# Altium PCB LimeSDR_Mini_1v0_Rounded.PcbDoc (part 1 of 5) (continued)
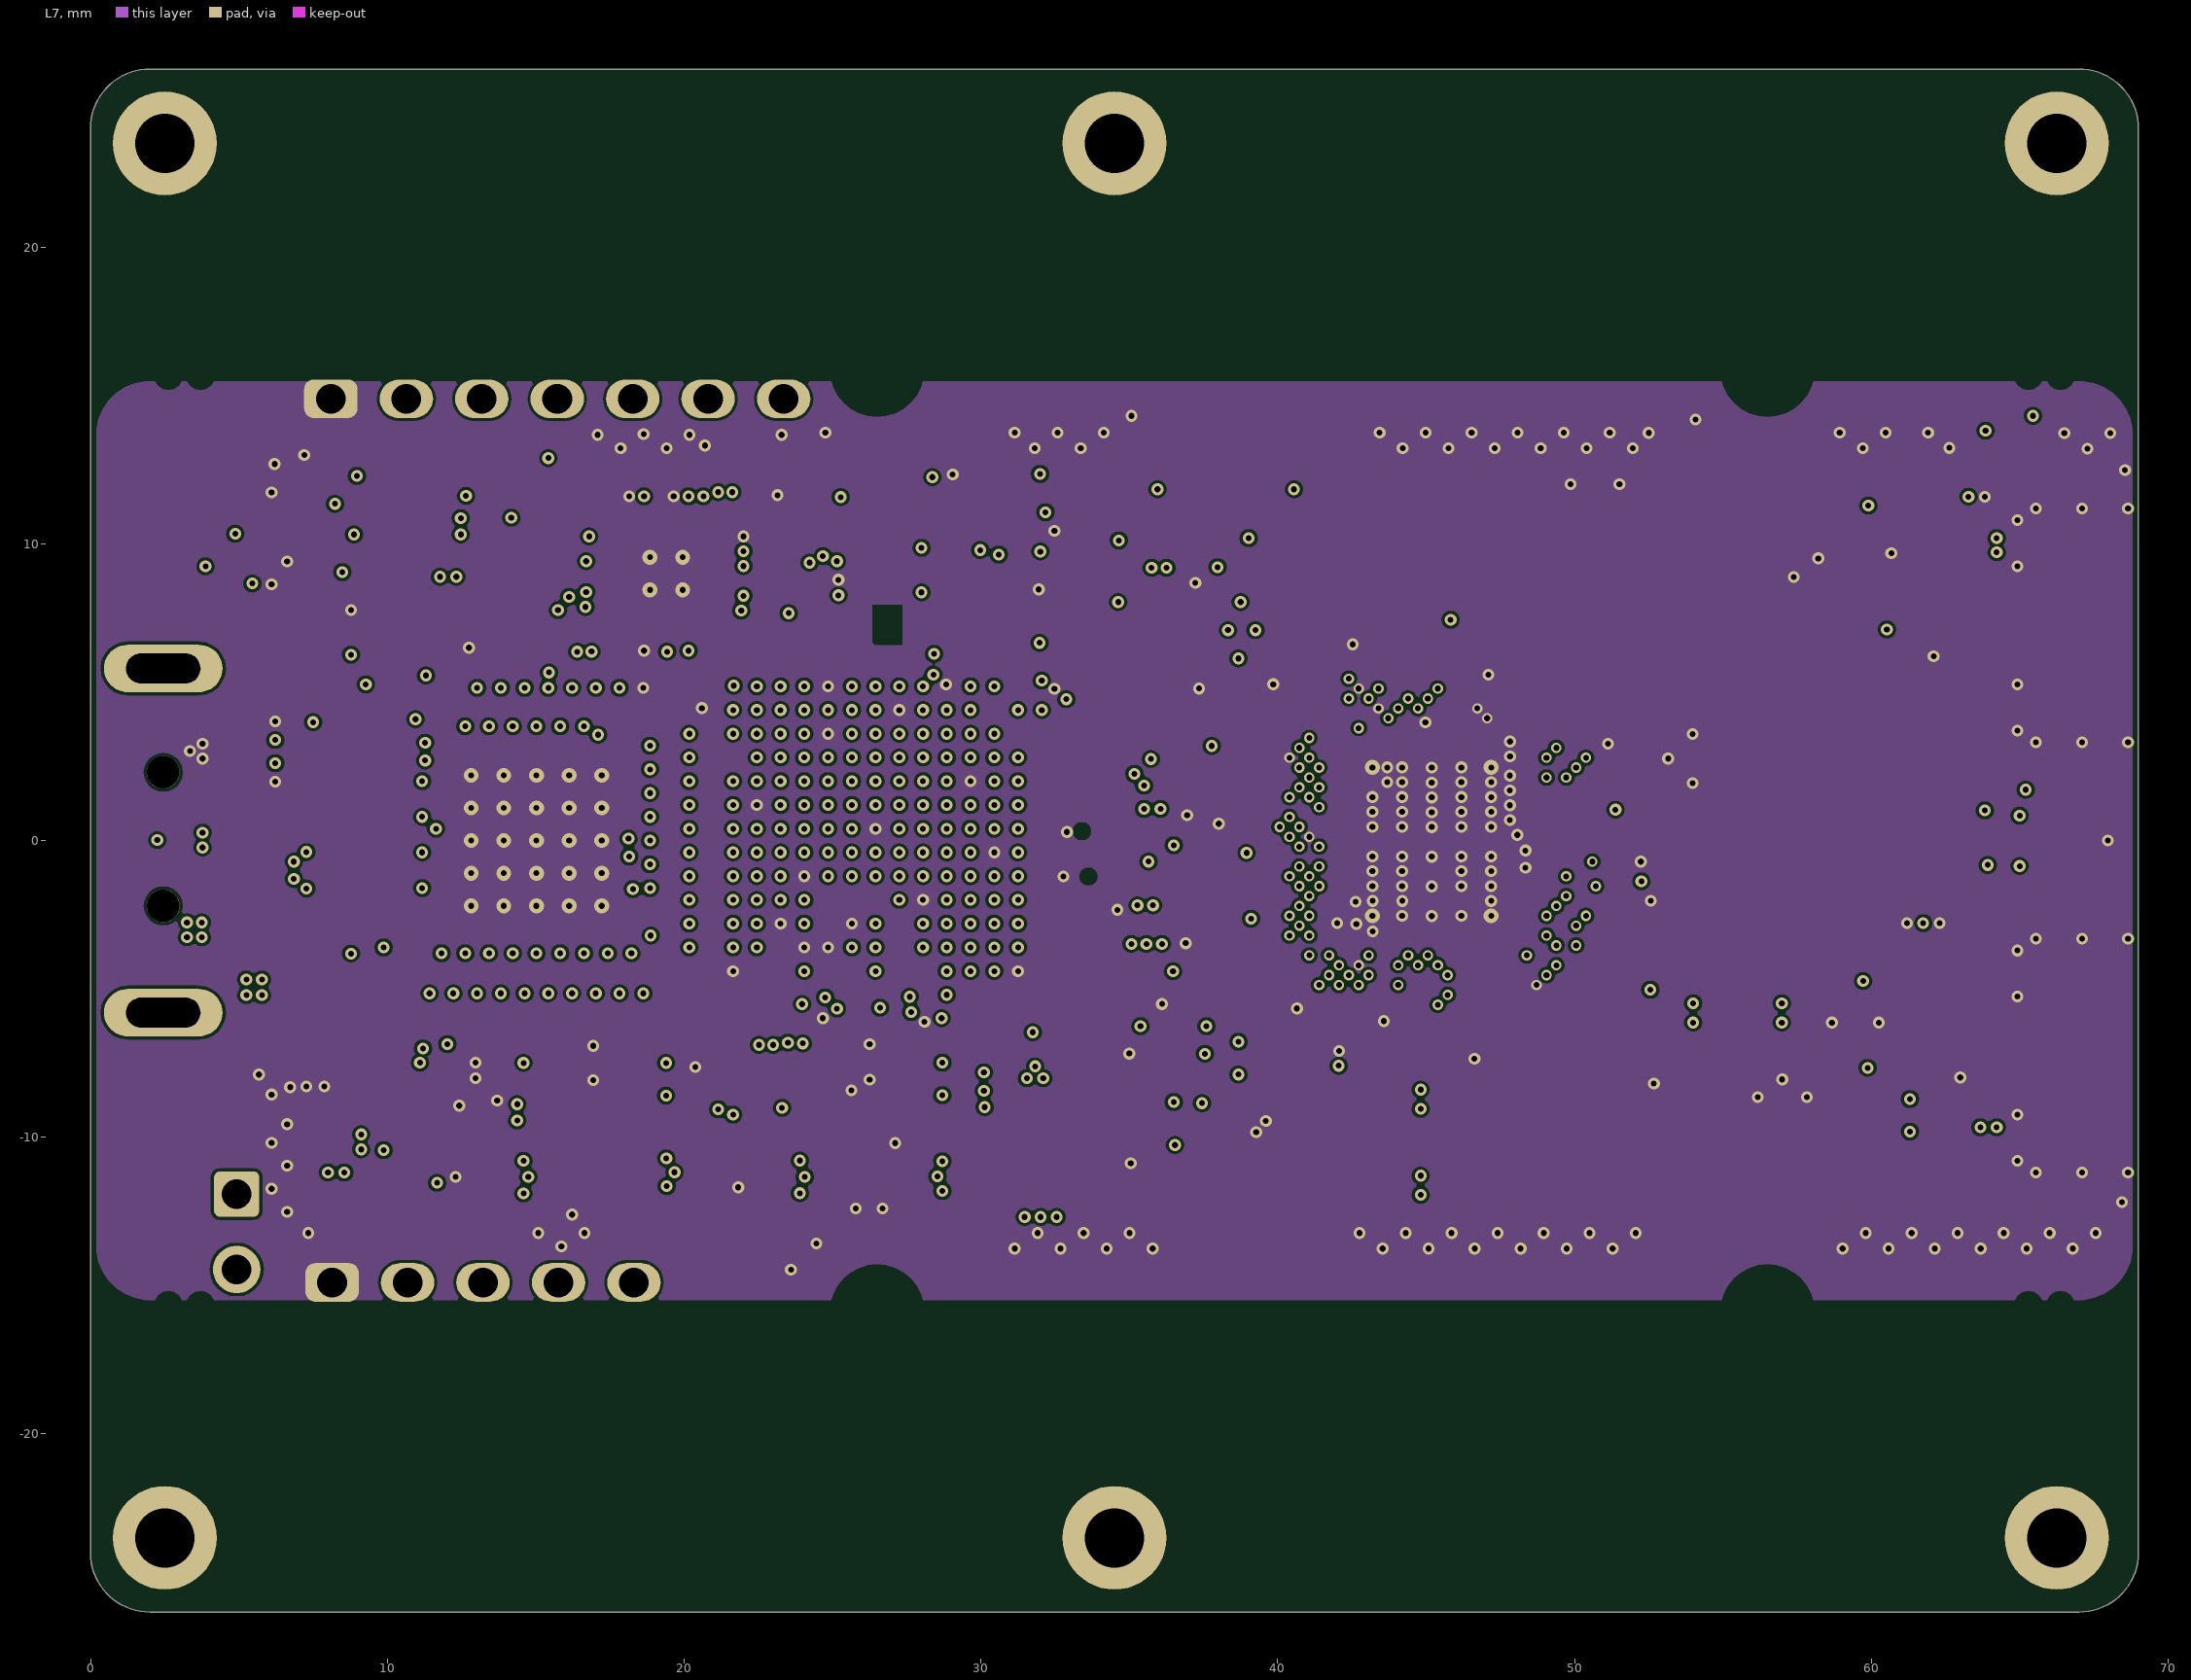
[diagram p7: L7]

## Layer stack, top to bottom
TopSolder: solder mask 0.0102, Solder Resist, Dk 3.5
Top: signal copper 0.0178
Dielectric1: core 0.17, FR-4, Dk 4.8
L2: signal copper 0.0356
Dielectric2: prepreg 0.3, FR-4, Dk 4.2
L3: signal copper 0.03
Dielectric3: core 0.2, FR-4, Dk 4.2
L4: signal copper 0.034
Dielectric 4: prepreg 0.2, Dk 4.2
L5: signal copper 0.03
Dielectric 10: core 0.09, Dk 4.2
L6: signal copper 0.03
Dielectric 11: prepreg 0.2, Dk 4.2
L7: signal copper 0.03
Dielectric 8: core 0.17, Dk 4.2
Bottom: signal copper 0.0178
BottomSolder: solder mask 0.0102, Solder Resist, Dk 3.5

## Board outline
0,-24 ccw(c2,-24) 2,-26 67,-26 ccw(c67,-24) 69,-24 69,24 ccw(c67,24) 67,26 2,26 ccw(c2,24) 0,24

## Design rules (kind name [scope] priority, off if disabled: settings)
BoardOutlineClearance [All] p1: gap=0.2
Clearance [All] p1: gap=0.1
ComponentClearance ComponentClearance_LNA_BYP [InComponent('R28') or InComponent('C22') or InComponent('R29') or InComponent('C20') vs InComponent('R28') or InComponent('C22') or InComponent('R29') or InComponent('C20')] p1: gap=-1 collisioncheckmode=3 verticalgap=2540 showdistances=FALSE
ComponentClearance ComponentClearance_CLK_RES [InComponent('R59') or InComponent('R62') vs InComponent('R59') or InComponent('R62')] p2: gap=-1 collisioncheckmode=3 verticalgap=2540 showdistances=FALSE
ComponentClearance ComponentClearance_RF_SHIELD [InComponent('MECH5') or InComponent('MECH7') or InComponent('MECH15')] p3: gap=-1 collisioncheckmode=3 verticalgap=2540 showdistances=FALSE
ComponentClearance [All] p4: gap=0.01 collisioncheckmode=3 verticalgap=0.254 showdistances=FALSE
DiffPairsRouting DiffPairsRouting_USB3 [InNetClass('FX3_DATA')] p1: maxlimit=0.3 minlimit=0.1 mostfreqgap=0.14 toplayer_minwidth=0.2 toplayer_maxwidth=0.2 toplayer_prefwidth=0.2 midlayer1_minwidth=0.2 midlayer1_maxwidth=0.2 midlayer1_prefwidth=0.2 midlayer2_minwidth=0.2 midlayer2_maxwidth=0.2 midlayer2_prefwidth=0.2 midlayer3_minwidth=0.2 midlayer3_maxwidth=0.2 midlayer3_prefwidth=0.2 midlayer4_minwidth=0.2 midlayer4_maxwidth=0.2 midlayer4_prefwidth=0.2 midlayer7_minwidth=0.2 midlayer7_maxwidth=0.2 midlayer7_prefwidth=0.2 midlayer9_minwidth=0.2 midlayer9_maxwidth=0.2 midlayer9_prefwidth=0.2 bottomlayer_minwidth=0.2 bottomlayer_maxwidth=0.2 bottomlayer_prefwidth=0.2 maxuncoupledlength=12.7
DiffPairsRouting DiffPairsRouting_USB3_XTAL [InNet('FX3_XTAL_N') or InNet('FX3_XTAL_P')] p2: maxlimit=0.2 minlimit=0.1 mostfreqgap=0.1 toplayer_minwidth=0.1 toplayer_maxwidth=0.4 toplayer_prefwidth=0.1 midlayer1_minwidth=0.1 midlayer1_maxwidth=0.4 midlayer1_prefwidth=0.1 midlayer2_minwidth=0.1 midlayer2_maxwidth=0.4 midlayer2_prefwidth=0.1 midlayer3_minwidth=0.1 midlayer3_maxwidth=0.4 midlayer3_prefwidth=0.1 midlayer4_minwidth=0.1 midlayer4_maxwidth=0.4 midlayer4_prefwidth=0.1 midlayer7_minwidth=0.1 midlayer7_maxwidth=0.4 midlayer7_prefwidth=0.1 midlayer9_minwidth=0.1 midlayer9_maxwidth=0.4 midlayer9_prefwidth=0.1 bottomlayer_minwidth=0.1 bottomlayer_maxwidth=0.4 bottomlayer_prefwidth=0.1 maxuncoupledlength=0.2
DiffPairsRouting DiffPairsRouting_TX_RF [InNetClass('TX_RF')] p3: maxlimit=0.14 minlimit=0.14 mostfreqgap=0.14 toplayer_minwidth=0.1 toplayer_maxwidth=0.2 toplayer_prefwidth=0.2 midlayer1_minwidth=0.1 midlayer1_maxwidth=0.2 midlayer1_prefwidth=0.2 midlayer2_minwidth=0.1 midlayer2_maxwidth=0.2 midlayer2_prefwidth=0.2 midlayer3_minwidth=0.1 midlayer3_maxwidth=0.2 midlayer3_prefwidth=0.2 midlayer4_minwidth=0.1 midlayer4_maxwidth=0.2 midlayer4_prefwidth=0.2 midlayer7_minwidth=0.1 midlayer7_maxwidth=0.2 midlayer7_prefwidth=0.2 midlayer9_minwidth=0.1 midlayer9_maxwidth=0.2 midlayer9_prefwidth=0.2 bottomlayer_minwidth=0.1 bottomlayer_maxwidth=0.2 bottomlayer_prefwidth=0.2 maxuncoupledlength=0.2
DiffPairsRouting DiffPairsRouting_RX_RF [InNetClass('RX_RF')] p4: maxlimit=0.3 minlimit=0.1 mostfreqgap=0.14 toplayer_minwidth=0.1 toplayer_maxwidth=0.3 toplayer_prefwidth=0.2 midlayer1_minwidth=0.1 midlayer1_maxwidth=0.3 midlayer1_prefwidth=0.2 midlayer2_minwidth=0.1 midlayer2_maxwidth=0.3 midlayer2_prefwidth=0.2 midlayer3_minwidth=0.1 midlayer3_maxwidth=0.3 midlayer3_prefwidth=0.2 midlayer4_minwidth=0.1 midlayer4_maxwidth=0.3 midlayer4_prefwidth=0.2 midlayer7_minwidth=0.1 midlayer7_maxwidth=0.3 midlayer7_prefwidth=0.2 midlayer9_minwidth=0.1 midlayer9_maxwidth=0.3 midlayer9_prefwidth=0.2 bottomlayer_minwidth=0.1 bottomlayer_maxwidth=0.3 bottomlayer_prefwidth=0.2 maxuncoupledlength=0.2
DiffPairsRouting [All] p5: maxlimit=0.3 minlimit=0.1 mostfreqgap=0.1 toplayer_minwidth=0.1 toplayer_maxwidth=0.5 toplayer_prefwidth=0.2 midlayer1_minwidth=0.1 midlayer1_maxwidth=0.5 midlayer1_prefwidth=0.2 midlayer2_minwidth=0.1 midlayer2_maxwidth=0.5 midlayer2_prefwidth=0.2 midlayer3_minwidth=0.1 midlayer3_maxwidth=0.5 midlayer3_prefwidth=0.2 midlayer4_minwidth=0.1 midlayer4_maxwidth=0.5 midlayer4_prefwidth=0.2 midlayer7_minwidth=0.1 midlayer7_maxwidth=0.5 midlayer7_prefwidth=0.2 midlayer9_minwidth=0.1 midlayer9_maxwidth=0.5 midlayer9_prefwidth=0.2 bottomlayer_minwidth=0.1 bottomlayer_maxwidth=0.5 bottomlayer_prefwidth=0.2 maxuncoupledlength=12.7
FabricationTestPointUsage TestPointUsage [All] p1: valid=0 allowmultiple=FALSE
FabricationTestpoint Testpoint [All] p1: side=3 testpointundercomponent=TRUE minsize=1.016 maxsize=2.54 preferedsize=1.524 minholesize=0.508 maxholesize=1.016 preferedholesize=0.813 testpointgrid=0.025 allowsidetop=TRUE allowsidebottom=TRUE usegrid=TRUE gridtolerance=0
HoleSize [All] p1: absolutevalues=TRUE maxlimit=10 minlimit=0.2 maxpercent=80.000 minpercent=20.000
HoleToHoleClearance [All] p1: gap=0.15 allowstackedmicrovias=TRUE
MatchedLengths MatchedLengths_FT_FIFO [InNetClass('FT_FIFO')] p1: tolerance=5 checknetsindiffpair=FALSE checkdiffpairvsdiffpair=TRUE checkxsignals=TRUE checkothers=TRUE
MatchedLengths MatchedLengths_LMS_PORT1 [InNetClass('LMS_PORT1')] p2: tolerance=7 checknetsindiffpair=FALSE checkdiffpairvsdiffpair=TRUE checkxsignals=TRUE checkothers=TRUE // tolerance increased due to MCLK being longer
MatchedLengths MatchedLengths_LMS_PORT2 [InNetClass('LMS_PORT2')] p3: tolerance=7.5 checknetsindiffpair=FALSE checkdiffpairvsdiffpair=TRUE checkxsignals=TRUE checkothers=TRUE // tolerance increased due to MCLK being longer
PlaneClearance [All] p1: clearance=0
PolygonConnect PolygonConnect_VCC3P3 [InNetClass('VCC3P3')] p1: connectstyle=Direct reliefconductorwidth=0.254 reliefentries=4 polygonreliefangle="90 Angle" airgapwidth=0.254
PolygonConnect PolygonConnect_GND_VIA [InNet('GND') and isvia] p2: connectstyle=Direct reliefconductorwidth=0.254 reliefentries=4 polygonreliefangle="90 Angle" airgapwidth=0.254
PolygonConnect PolygonConnect_GND_MMCX [HasFootprint('MMCX_UFL_CONN_V3_M') and IsPad and InNet('GND')] p3: connectstyle=Relief reliefconductorwidth=0.7 reliefentries=4 polygonreliefangle="90 Angle" airgapwidth=0.254
PolygonConnect PolygonConnect_GND [InNet('GND') and (OnTopLayer or OnBottomLayer)] p4: connectstyle=Relief reliefconductorwidth=0.254 reliefentries=4 polygonreliefangle="90 Angle" airgapwidth=0.254
PolygonConnect PolygonConnect_GND_inner [InNet('GND') and not (OnTopLayer or OnBottomLayer)] p5: connectstyle=Direct reliefconductorwidth=0.254 reliefentries=4 polygonreliefangle="90 Angle" airgapwidth=0.254
PolygonConnect PolygonConnect_USB_GND [InNet('USB_GND')] p6: connectstyle=Direct reliefconductorwidth=0.254 reliefentries=4 polygonreliefangle="90 Angle" airgapwidth=0.254
PolygonConnect PolygonConnect_FX3_GND [InNet('FX3_GND')] p7: connectstyle=Direct reliefconductorwidth=0.254 reliefentries=4 polygonreliefangle="90 Angle" airgapwidth=0.254
PolygonConnect PolygonConnect_VCC1P8 [InNet('VCC1P8')] p8: connectstyle=Direct reliefconductorwidth=0.254 reliefentries=4 polygonreliefangle="90 Angle" airgapwidth=0.254
PolygonConnect PolygonConnect_VCC1P8_LMS [InNet('VCC1P8_LMS')] p9: connectstyle=Direct reliefconductorwidth=0.254 reliefentries=4 polygonreliefangle="90 Angle" airgapwidth=0.254
PolygonConnect PolygonConnect_VCC1P8_FX3 [InNet('VCC1P8_FX3')] p10: connectstyle=Direct reliefconductorwidth=0.254 reliefentries=4 polygonreliefangle="90 Angle" airgapwidth=0.254
PolygonConnect PolygonConnect_VDIO_LMS [InNet('VDIO_LMS')] p11: connectstyle=Direct reliefconductorwidth=0.254 reliefentries=4 polygonreliefangle="90 Angle" airgapwidth=0.254
PolygonConnect PolygonConnect_VDIO_LMS_FPGA [InNet('VDIO_LMS_FPGA')] p12: connectstyle=Direct reliefconductorwidth=0.254 reliefentries=4 polygonreliefangle="90 Angle" airgapwidth=0.254
PolygonConnect PolygonConnect_VCC5P0_USB [InNetClass('VCC5P0_USB')] p13: connectstyle=Direct reliefconductorwidth=0.254 reliefentries=4 polygonreliefangle="90 Angle" airgapwidth=0.254
PolygonConnect [All] p14: connectstyle=Relief reliefconductorwidth=0.254 reliefentries=4 polygonreliefangle="90 Angle" airgapwidth=0.254
RoutingVias [All] p1: holewidth=0.2 width=0.4 viastyle="Through Hole" minholewidth=0.2 minwidth=0.31 maxholewidth=4.5 maxwidth=5
SilkToSilkClearance [All] p1: silktosilkclearance=0.1
SilkToSolderMaskClearance SilkscreenOverComponentPads [IsPad] p1: minsilkscreentomaskgap=0.1 clearancetoexposedcopper=TRUE
SolderMaskExpansion [All] p1: expansion=0.05
Width Width_ClumsyConnection [All] p1: maxlimit=7 minlimit=0.1 preferedwidth=0.2 checkconnectedcopper=TRUE
Width [All] p2: maxlimit=5 minlimit=0.1 preferedwidth=0.2
21 further rules are at their usual default settings.

## Classes and differential pairs
net class VDIO_LMS_LMK: VDIO_LMS_LMK
net class VDIO_LMS_FPGA: VDIO_LMS_FPGA
net class VDIO_LMS: VDIO_LMS
net class FT_FIFO: FT_BE0 FT_BE1 FT_BE2 FT_BE3 FT_CLK FT_D0 FT_D1 FT_D2 FT_D3 FT_D4 FT_D5 FT_D6 FT_D7 FT_D8 FT_D9 FT_D10 FT_D11 FT_D12 FT_D13 FT_D14 FT_D15 FT_D16 FT_D17 FT_D18 FT_D19 FT_D20 FT_D21 FT_D22 FT_D23 FT_D24 FT_D25 FT_D26 FT_D27 FT_D28 FT_D29 FT_D30 FT_D31 FT_OEN FT_RDN FT_TXEN FT_WRN
net class VCC3P3_CLK: VCC3P3_CLK
net class VCC1P8_LMS: VCC1P8_LMS
net class FT_USB: NetJ7_7 USB_D_N USB_D_P USB_SSRX_N USB_SSRX_P USB_SSTX_N USB_SSTX_P USB_SSTXI_N USB_SSTXI_P
net class FPGA_JTAG: FPGA_JTAG_TCK FPGA_JTAG_TDI FPGA_JTAG_TDO FPGA_JTAG_TMS NetJ17_7
net class FPGA_GPIO: FPGA_GPIO0 FPGA_GPIO1 FPGA_GPIO2 FPGA_GPIO3 FPGA_GPIO4 FPGA_GPIO5 FPGA_GPIO6 FPGA_GPIO7
component class 08_USB3_0_device: C121 C122 C123 C124 C125 C126 C127 C128 C129 C130 C131 C132 C133 C134 C135 C136 C137 C138 C139 C140 C141 C142 C143 C144 C145 C146 C147 ESD3 FR12 FR13 FR14 IC6 J7 MECH6 MECH7 MECH8 MECH9 MECH10 NT1 R50 R51 R52 R53 R54 R55 R56 XT1
component class 07_FPGA: C87 C88 C89 C90 C91 C92 C93 C94 C95 C96 C97 C98 C99 C100 C101 C102 C103 C104 C105 C106 C107 C108 C109 C110 C111 C112 C113 C114 C115 C116 C117 C118 C119 C120 FR11 IC5 J3 J4 J5 J6 R34 R35 R36 R37 R38 R39 R40 R41 R42 R43 R44 R45 R46 R47 R48 R49
net class +1.8V_DIG_LMK: +1.8V_DIG_LMK
net class RX_RF: RX1_H_A_N RX1_H_A_P RX1_H_B_N RX1_H_B_P RX2_W_A_N RX2_W_A_P RX2_W_B_N RX2_W_B_P
net class TX_RF: TX1_1_A_N TX1_1_A_P TX1_1_B_N TX1_1_B_P TX2_1_A_N TX2_1_A_P TX2_1_B_N TX2_1_B_P
component class 06_LMS7002M_Power: C30 C31 C32 C33 C34 C35 C36 C37 C38 C39 C40 C41 C42 C43 C44 C45 C46 C47 C48 C49 C50 C51 C52 C53 C54 C55 C56 C57 C58 C59 C60 C61 C62 C63 C64 C65 C66 C67 C68 C69 C70 C71 C72 C73 C74 C75 C76 C77 C78 C79 C80 C81 C82 C83 C84 C85 C86 FR1 FR2 FR3 FR4 FR5 FR6 FR7 FR8 FR9 FR10 R26 R27 R28 R29 R30 R31 R32 R33
component class 05_LMS7002M_RF: C3 C4 C5 C6 C7 C8 C9 C10 C11 C12 C13 C14 C15 C16 C17 C18 C19 C20 C21 C22 C23 C24 C25 C26 C27 C28 C29 C? ESD1 ESD2 IC3 IC4 J1 J2 L3 MECH1 MECH2 MECH3 MECH4 MECH5 MN1 MN2 MN3 MN4 MN5 MN6 MN7 MN8 MN9 MN10 MN11 MN12 MN13 MN14 MN15 MN16 MN17 MN18 MN19 MN20 MN21 MN22 MN23 MN24 MN100 MN101 MN102 MN103 R14 R15 R16 R17 R18 R19 R20 R21 R22 R23 R24 R25 T1 T2 T3 T4 VT1 VT2 VT3
net class CLK_PATH: NetC148_1 NetC148_2 NetC149_1 NetC182_1 NetC281_1 NetIC7_3 NetIC7_5 RXPLL_CLK TXPLL_CLK
component class 04_LMS7002M_Misc: C1 C2 FL1 IC1 IC2 R1 R2 R3 R4 R5 R6 R7 R8 R9 R10 R11 R12 R13
net class LMS_PORT1: LMS_DIQ1_D0 LMS_DIQ1_D1 LMS_DIQ1_D2 LMS_DIQ1_D3 LMS_DIQ1_D4 LMS_DIQ1_D5 LMS_DIQ1_D6 LMS_DIQ1_D7 LMS_DIQ1_D8 LMS_DIQ1_D9 LMS_DIQ1_D10 LMS_DIQ1_D11 LMS_ENABLE_IQSEL1 LMS_FCLK1 LMS_MCLK1 LMS_TXNRX1
net class LMS_PORT2: LMS_DIQ2_D0 LMS_DIQ2_D1 LMS_DIQ2_D2 LMS_DIQ2_D3 LMS_DIQ2_D4 LMS_DIQ2_D5 LMS_DIQ2_D6 LMS_DIQ2_D7 LMS_DIQ2_D8 LMS_DIQ2_D9 LMS_DIQ2_D10 LMS_DIQ2_D11 LMS_ENABLE_IQSEL2 LMS_FCLK2 LMS_MCLK2 LMS_TXNRX2
component class 09_Misc: C148 C149 C150 C151 C152 C153 C154 C155 C156 C157 C158 C159 C160 C161 C162 C163 C164 C165 C166 C167 C168 C169 C170 C171 C172 C173 C174 C175 C176 C177 C178 C179 C180 C181 C182 C183 C184 FR15 FR16 FR17 FR18 FR19 FR20 FR21 FR22 FR51 IC7 IC8 IC9 IC10 IC11 IC12 IC13 IC14 IC18 J8 J9 J10 LED1 LED2 MECH11 MECH12 MECH13 MECH14 MECH15 R57 R58 R59 R60 R61 R62 R63 R64 R65 R66 R67 R68 R69 R70 R71 R72 R73 R74 R75 R76 R77 R78 R79 R80 R81 R82 R83 R84 R85 R88 R89 R103 VT4 XO1
net class FPGA_SPI_LMS: FPGA_SPI_LMS_SS FPGA_SPI_MISO FPGA_SPI_MOSI FPGA_SPI_SCLK NetC1_1 NetIC1_D28 NetIC1_F28 NetIC1_F30
net class LMS_I2C: LMS_I2C_SCL LMS_I2C_SDA
net class +3.3V_DIG_LMK: +3.3V_DIG_LMK
net class AVDD_FT: AVDD_FT
net class VD10_FT: VD10_FT
net class VCC3P3: VCC3P3
net class VCC5P0_USB: VCC5P0_USB
net class VCC3P3A: VCC3P3A
net class FPGA_QSPI: FPGA_QSPI_FLASH_SS FPGA_QSPI_IO0 FPGA_QSPI_IO1 FPGA_QSPI_IO2 FPGA_QSPI_IO3 FPGA_QSPI_SCLK VCC1P8
net class FPGA_EGPIO: FPGA_EGPIO0 FPGA_EGPIO1
net class BOM_VER: BOM_VER0 BOM_VER1 BOM_VER2
net class LB_CTRL: RFSW_RX_V1 RFSW_RX_V2 RFSW_TX_V1 RFSW_TX_V2 TX_LB_AT TX_LB_SH
differential pair TX2_1_B: +TX2_1_B_P -TX2_1_B_N
differential pair TX2_1_A: +TX2_1_A_P -TX2_1_A_N
differential pair TX1_1_B: +TX1_1_B_P -TX1_1_B_N
differential pair TX1_1_A: +TX1_1_A_P -TX1_1_A_N
differential pair RX2_W_B: +RX2_W_B_P -RX2_W_B_N
differential pair RX2_W_A: +RX2_W_A_P -RX2_W_A_N
differential pair RX1_H_B: +RX1_H_B_P -RX1_H_B_N
differential pair RX1_H_A: +RX1_H_A_P -RX1_H_A_N
differential pair USB_SSTX: +USB_SSTX_P -USB_SSTX_N
differential pair USB_SSTXI: +USB_SSTXI_P -USB_SSTXI_N
differential pair USB_SSRX: +USB_SSRX_P -USB_SSRX_N
differential pair USB_D: +USB_D_P -USB_D_N
differential pair FT_XTAL: +FT_XTAL_P -FT_XTAL_N

## Components (designator, comment, footprint, x,y, rotation, side; value= is the part's Value field where it differs from the comment)
C1 "10pF, 25V" CAP0402#1 41.375,-7.06 r270 bottom
C2 "1uF, 10V" CAP0402#1 38.775,-10.46 r270 bottom
C3 "100pF, 50V" CAP0402#1 56.085,-5.31 r180 bottom
C4 "100nF, 16V" CAP0402#1 52.825,-5.81 r0 bottom
C5 "100pF, 50V" CAP0402#1 54.382,-6.253 r270 bottom
C6 "100nF, 16V" CAP0402#1 56.085,-6.31 r0 bottom
C7 "100pF, 50V" CAP0402#1 43.9,-12.135 r180 bottom
C8 "100pF, 50V" CAP0402#1 43.892,-9.218 r180 bottom
C9 "100nF, 16V" CAP0402#1 43.892,-8.218 r0 bottom
C10 "100nF, 16V" CAP0402#1 43.9,-11.11 r0 bottom
C11 "100nF, 16V" CAP0402#1 63.95,-8.235 r270 bottom
C12 "100pF, 50V" CAP0402#1 63.95,-10.285 r270 bottom
C13 "47pF, 50V" CAP0402#2 58.975,-3.435 r90 top
C14 "510pF" CAP0402#2 62.1,-6.485 r0 top
C15 "510pF" CAP0402#2 58.975,-8.985 r270 top
C16 "47pF, 50V" CAP0402#2 61.75,-3.81 r90 top
C17 "10pF, 25V" CAP0402#1 58.875,-7.66 r0 bottom
C18 "10pF, 25V" CAP0402#1 60.7,-4.91 r180 bottom
C19 "100pF, 50V" CAP0402#1 56.825,4.39 r90 bottom
C20 "100pF, 50V" CAP0402#1 57.675,12.065 r270 bottom
C21 "100nF, 16V" CAP0402#1 65.2,11.765 r180 bottom
C22 "100pF, 50V" CAP0402#1 64.225,8.365 r270 bottom
C23 "100pF, 50V" CAP0402#1 57.15,-2.76 r180 bottom
C24 "47pF, 50V" CAP0402#2 56.025,11.365 r180 top
C25 "510pF" CAP0402#2 62.025,7.94 r270 top
C26 "510pF" CAP0402#2 59.45,6.415 r270 top
C27 "47pF, 50V" CAP0402#2 62.25,11.59 r0 top
C28 "10pF, 25V" CAP0402#1 61.025,6.615 r90 bottom
C29 "10pF, 25V" CAP0402#1 59.9,10.29 r90 bottom
C30 "1uF, 6.3V" CAP0201 42.376,-6.489 r180 bottom
C31 "1nF, 10%" CAP0201 40.901,0.961 r135 bottom
C32 "1uF, 6.3V" CAP0201 43.026,-0.089 r0 bottom
C33 "1nF, 10%" CAP0201 39.625,-4.177 r90 bottom
C34 "1uF, 6.3V" CAP0201 39.77,-3.244 r180 bottom
C35 "1nF, 10%" CAP0201 38.325,0.07 r90 bottom
C36 "1uF, 6.3V" CAP0201 37.416,-0.159 r180 bottom
C37 "1nF, 10%" CAP0201 39.926,1.136 r90 bottom
C38 "1uF, 6.3V" CAP0201 39.146,1.416 r90 bottom
C39 "1nF, 10%" CAP0201 39.2,3.406 r270 bottom
C40 "1uF, 6.3V" CAP0201 40.05,3.406 r270 bottom
C41 "1uF, 6.3V" CAP0201 51.246,-4.614 r270 bottom
C42 "1uF, 6.3V" CAP0201 45.8,-6.11 r180 bottom
C43 "1uF, 6.3V" CAP0201 46.63,-5.26 r270 bottom
C44 "1uF, 6.3V" CAP0201 46.275,-3.285 r0 bottom
C45 "1uF, 6.3V" CAP0201 39.173,5.72 r315 bottom
C46 "1uF, 6.3V" CAP0201 45.476,4.406 r270 bottom
C47 "1uF, 6.3V" CAP0201 51.1,2.215 r0 bottom
C48 "1uF, 6.3V" CAP0201 51.051,-2.114 r0 bottom
C49 "1uF, 6.3V" CAP0201 40.821,5.156 r180 bottom
C50 "1uF, 6.3V" CAP0201 52.301,-3.039 r0 bottom
C51 "1uF, 6.3V" CAP0201 40.575,6.073 r90 bottom
C52 "1uF, 6.3V" CAP0201 53.944,-4.183 r270 bottom
C53 "1uF, 6.3V" CAP0201 41.925,1.936 r270 bottom
C54 "1nF, 10%" CAP0201 42.676,1.936 r270 bottom
C55 "1uF, 6.3V" CAP0201 44.875,-5.81 r270 bottom
C56 "1uF, 6.3V" CAP0201 42.176,-3.414 r180 bottom
C57 "1uF, 6.3V" CAP0201 42.251,-5.614 r270 bottom
C58 "1uF, 6.3V" CAP0201 51.43,-0.71 r180 bottom
C59 "1uF, 6.3V" CAP0201 45.125,3.213 r270 bottom
C60 "1uF, 6.3V" CAP0201 37.875,-3.312 r270 bottom
C61 "1nF, 10%" CAP0201 38.926,-3.314 r270 bottom
C62 "1uF, 6.3V" CAP0201 39.125,-1.862 r270 bottom
C63 "1nF, 10%" CAP0201 39.851,-1.871 r270 bottom
C64 "1uF, 6.3V" CAP0201 41.925,0.846 r270 bottom
C65 "1nF, 10%" CAP0201 42.676,0.836 r270 bottom
C66 "1uF, 6.3V" CAP0201 48.92,-1.66 r180 bottom
C67 "1uF, 6.3V" CAP0201 49.474,-5.265 r270 bottom
C68 "1uF, 6.3V" CAP0201 44.225,-5.735 r270 bottom
C69 "1uF, 6.3V" CAP0201 44.727,-3.109 r90 bottom
C70 "1uF, 6.3V" CAP0201 43.9,-3.455 r270 bottom
C71 "1uF, 6.3V" CAP0201 43.513,3.561 r0 bottom
C72 "1uF, 6.3V" CAP0201 41.326,6.536 r90 bottom
C73 "1uF, 6.3V" CAP0201 43.176,6.336 r90 bottom
C74 "1uF, 6.3V" CAP0201 44.12,5.218 r180 bottom
C75 "1uF, 6.3V" CAP0201 44.651,5.986 r180 bottom
C76 "1uF, 6.3V" CAP0201 49.389,3.79 r90 bottom
C77 "1uF, 6.3V" CAP0201 49.15,1.415 r90 bottom
C78 "1uF, 6.3V" CAP0201 52.05,-2.277 r90 bottom
C79 "1uF, 6.3V" CAP0201 48.195,-3.085 r0 bottom
C80 "1uF, 6.3V" CAP0201 50.001,-4.148 r315 bottom
C81 "1uF, 6.3V" CAP0201 48.151,-2.289 r180 bottom
C82 "1uF, 6.3V" CAP0201 43.15,-6.04 r270 bottom
C83 "1uF, 6.3V" CAP0201 50.388,3.357 r0 bottom
C84 "1uF, 6.3V" CAP0201 51.125,2.79 r0 bottom
C85 "1uF, 6.3V" CAP0201 49.825,1.415 r270 bottom
C86 "1uF, 6.3V" CAP0201 45.071,6.768 r180 bottom
C87 "100nF, 16V" CAP0402#1 31.45,9.015 r0 bottom
C88 "10uF, 6.3V" CAP0603#1 30.25,-6.11 r90 bottom
C89 "1uF, 6.3V" CAP0201 32.05,1.04 r0 bottom
C90 "100nF, 6.3V" CAP0201 32.05,0.365 r0 bottom
C91 "100nF, 6.3V" CAP0201 32.05,-0.285 r0 bottom
C92 "100nF, 6.3V" CAP0201 27.25,-4.135 r180 bottom
C93 "100nF, 6.3V" CAP0201 27.25,-3.435 r180 bottom
C94 "100nF, 6.3V" CAP0201 32.05,1.665 r0 bottom
C95 "10uF, 6.3V" CAP0603#1 32.05,-4.86 r90 bottom
C96 "1uF, 6.3V" CAP0201 27.25,-2.66 r180 bottom
C97 "100nF, 6.3V" CAP0201 25.15,-2.86 r270 bottom
C98 "100nF, 6.3V" CAP0201 24.6,-2.21 r90 bottom
C99 "100nF, 6.3V" CAP0201 23.45,-3.535 r270 bottom
C100 "100nF, 6.3V" CAP0201 32.05,2.315 r0 bottom
C101 "100nF, 6.3V" CAP0201 21.825,-6.935 r180 top
C102 "10uF, 6.3V" CAP0603#1 22.55,6.04 r0 bottom
C103 "1uF, 6.3V" CAP0201 30.275,4.365 r90 bottom
C104 "100nF, 6.3V" CAP0201 20.925,2.24 r180 bottom
C105 "100nF, 6.3V" CAP0201 20.95,2.815 r180 bottom
C106 "100nF, 6.3V" CAP0201 20.92,3.65 r180 bottom
C107 "100nF, 6.3V" CAP0201 27.65,5.865 r90 bottom
C108 "10uF, 6.3V" CAP0603#1 22.05,-5.085 r0 bottom
C109 "1uF, 6.3V" CAP0201 25.2,-4.535 r270 bottom
C110 "100nF, 6.3V" CAP0201 24.525,-4.535 r270 bottom
C111 "100nF, 6.3V" CAP0201 25.85,-4.535 r270 bottom
C112 "10uF, 6.3V" CAP0603#1 31.25,4.4 r270 bottom
C113 "1uF, 6.3V" CAP0201 25.25,-1.885 r270 bottom
C114 "100nF, 6.3V" CAP0201 26.86,5.861 r90 bottom
C115 "100nF, 6.3V" CAP0201 26.025,-1.885 r270 bottom
C116 "100nF, 6.3V" CAP0201 20.925,0.115 r180 bottom
C117 "100nF, 6.3V" CAP0201 25.295,5.886 r90 bottom
C118 "100nF, 6.3V" CAP0201 26.04,5.861 r90 bottom
C119 "100nF, 6.3V" CAP0201 26.75,-1.91 r270 bottom
C120 "100nF, 6.3V" CAP0201 20.925,0.965 r180 bottom
C121 "100nF, 6.3V" CAP0201 9.45,-0.685 r0 top
C122 "100nF, 6.3V" CAP0201 9.45,-1.315 r0 top
C123 "100nF, 16V" CAP0402#1 7.725,-5.86 r270 bottom
C124 "10pF, 5%" CAP0402#2 8.525,4.765 r270 top
C125 "100nF, 16V" CAP0402#1 2.25,1 r0 bottom
C126 "10pF, 5%" CAP0402#2 8.025,6.765 r90 top
C127 "100nF, 16V" CAP0402#1 4.375,7.64 r180 bottom
C128 "10uF, 6.3V" CAP0603#1 14.45,-5.96 r0 bottom
C129 "1uF, 6.3V" CAP0201 18.875,-3.9 r90 bottom
C130 "100nF, 6.3V" CAP0201 14,3.34 r0 bottom
C131 "1uF, 6.3V" CAP0201 14.9,-4.65 r0 bottom
C132 "100nF, 6.3V" CAP0201 12.875,3.34 r180 bottom
C133 "1uF, 6.3V" CAP0201 15.95,-4.65 r180 bottom
C134 "100nF, 6.3V" CAP0201 19.625,0.925 r90 bottom
C135 "1uF, 6.3V" CAP0201 19.675,-0.125 r90 bottom
C136 "100nF, 6.3V" CAP0201 18.2,-3.2 r180 bottom
C137 "10uF, 6.3V" CAP0603#1 10.675,-3.85 r270 bottom